# Altium PCB Matrix.PcbDoc (part 1 of 3) (continued)
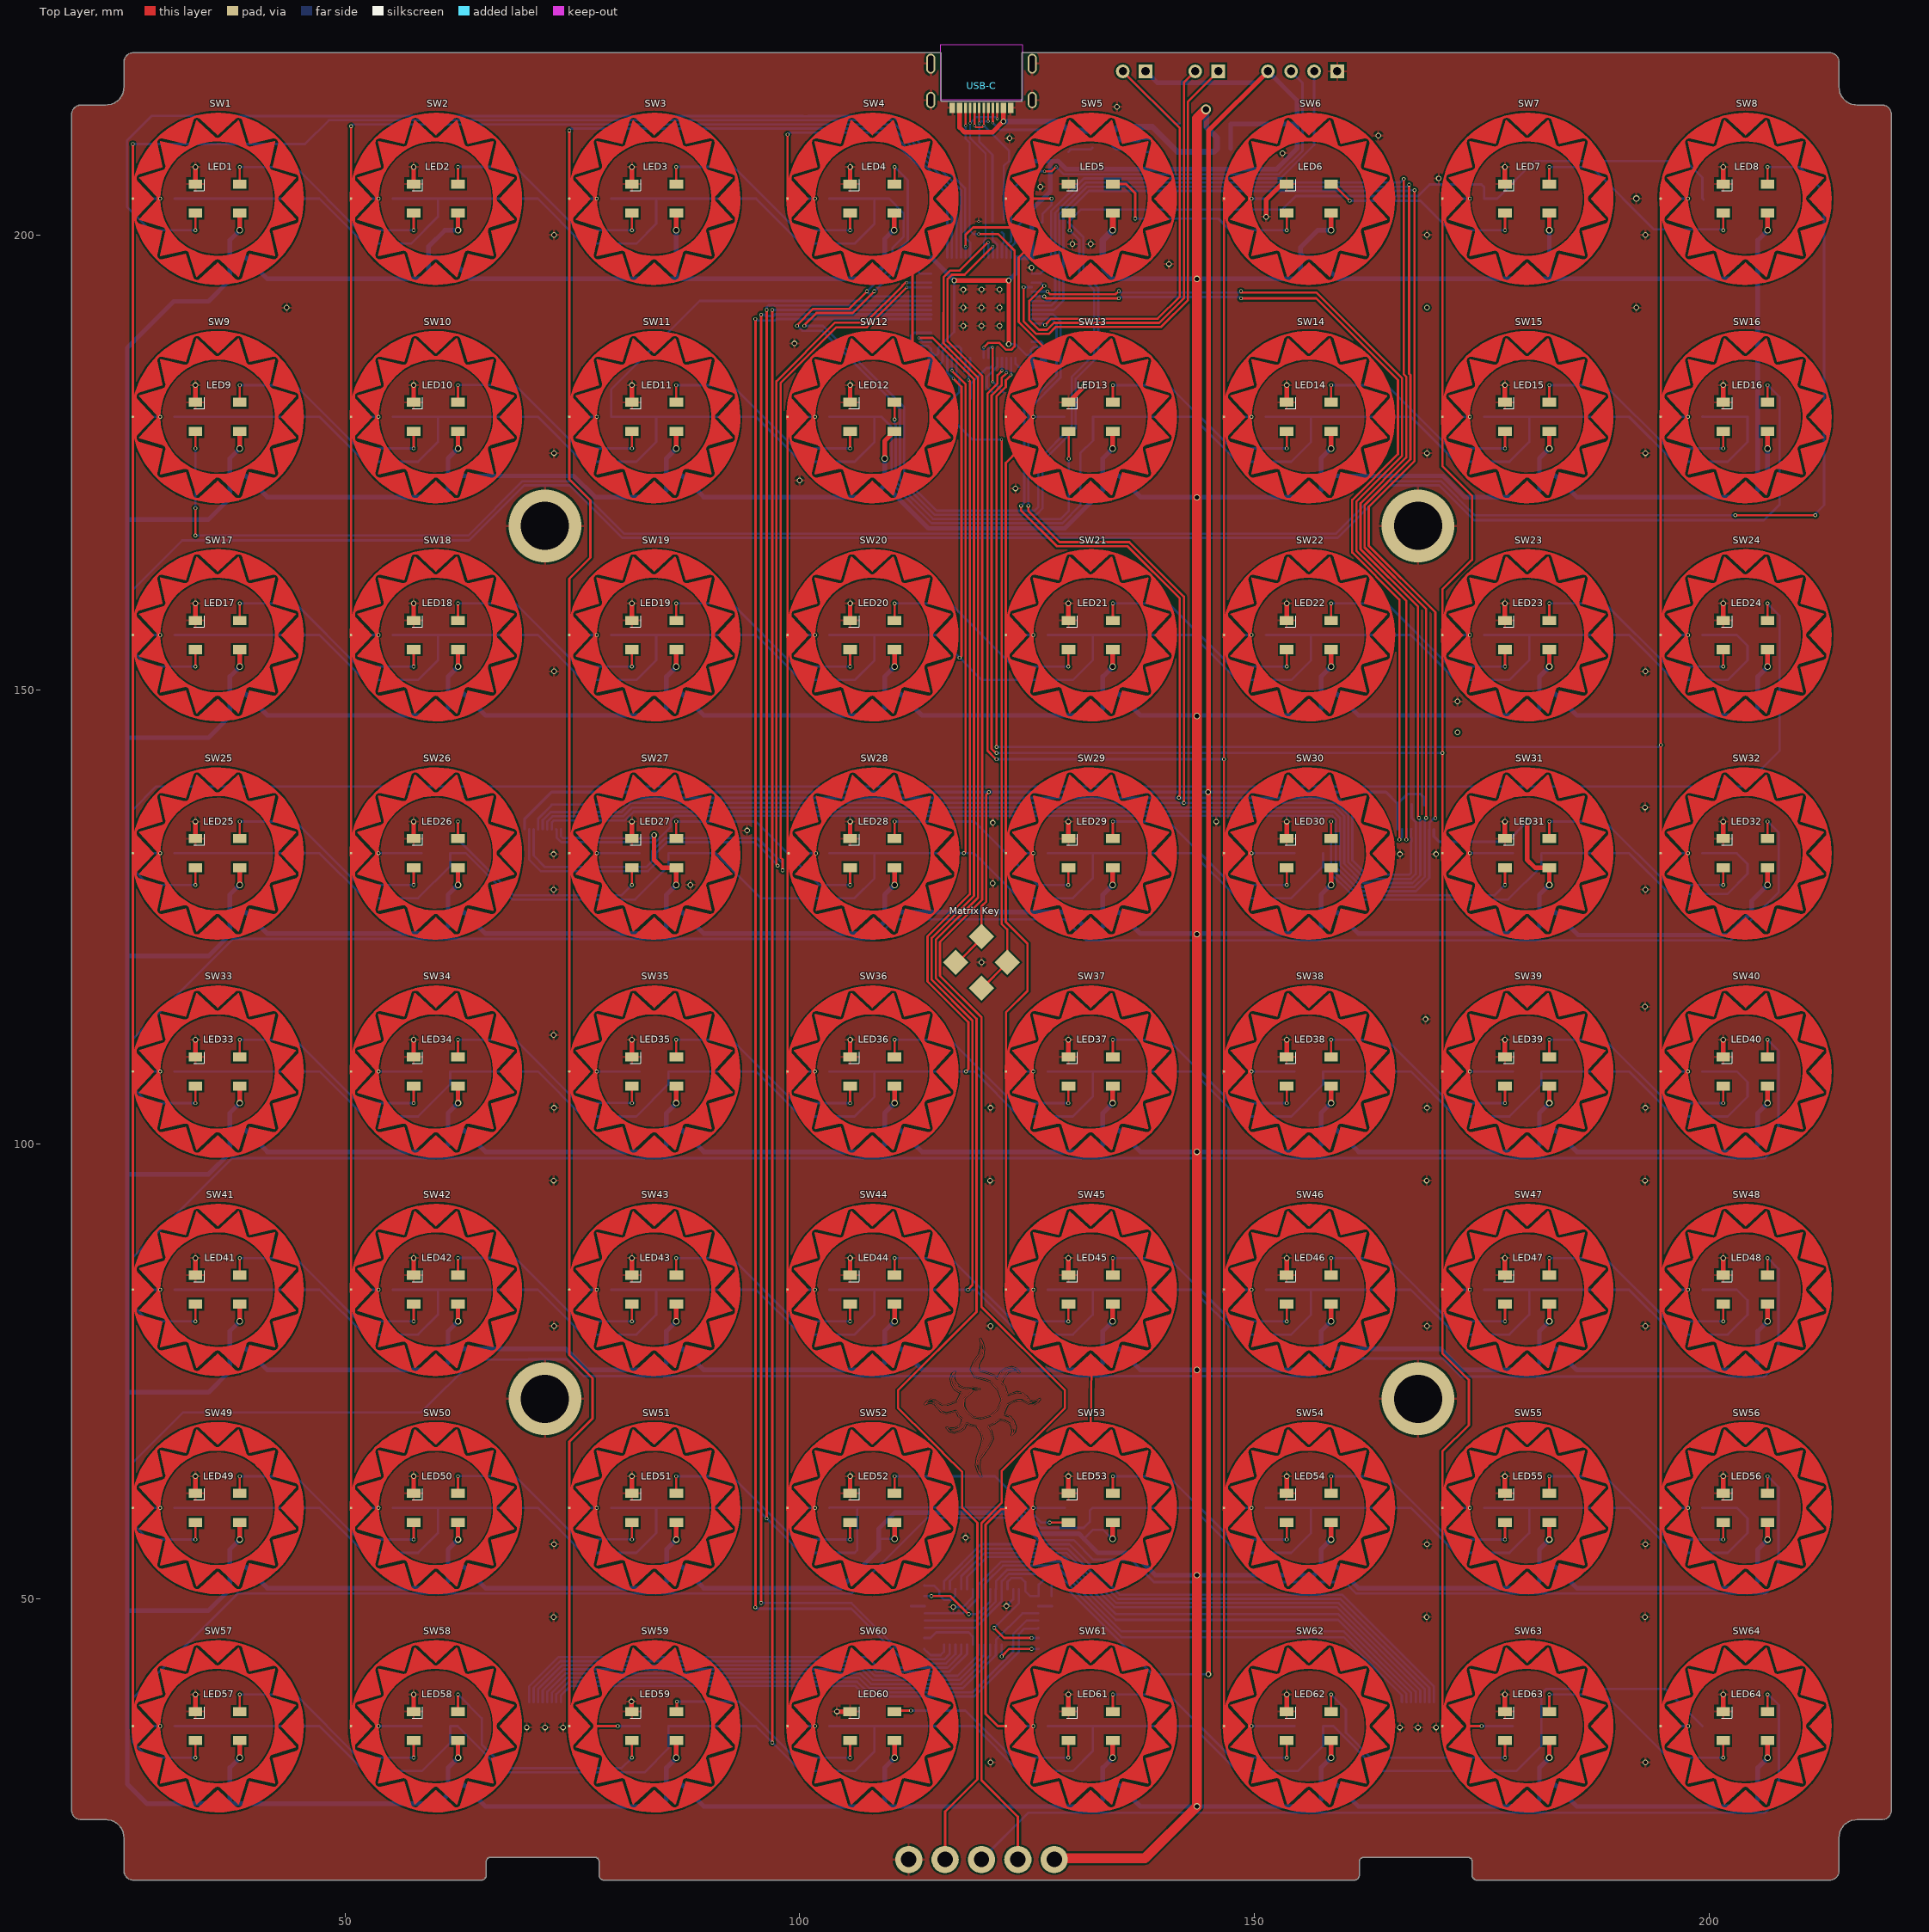
[diagram p0: Top Layer view]
## Components (designator, comment, footprint, x,y, rotation, side; value= is the part's Value field where it differs from the comment)
C1 "LDO" "0603 res" 152.7,211.506 r270 bottom value=10uf
C1 "Touch Bar" "0603 res" 127,51.5 r180 bottom value=10uf
C1 "Cap Semi" "0603 res" 36.7,197.5 r0 bottom value=0.1uf
C2 "LDO" "0603 res" 151,211.506 r270 bottom value=0.1uf
C2 "Touch Bar" "0603 res" 127,50.3 r180 bottom value=0.1uf
C2 "Cap Semi" "0603 res" 58.5,197.5 r0 bottom value=0.1uf
C3 "Touch Bar" "0603 res" 127,45.7 r180 bottom value=10uf
C3 "LDO" "0603 res" 143.7,209.84 r270 bottom value=0.1uf
C3 "Cap Semi" "0603 res" 85.738,197.5 r0 bottom value=0.1uf
C4 "Touch Bar" "0603 res" 127,44.5 r180 bottom value=10uf
C4 "LDO" "0603 res" 142,209.84 r270 bottom value=10uf
C4 "Cap Semi" "0603 res" 108.7,197.5 r0 bottom value=0.1uf
C5 "Touch Bar" "0603 res" 113,51.5 r0 bottom value=10uf
C5 "PDS" "0603 res" 135.92,211.2 r270 bottom value=10uf
C5 "Cap Semi" "0603 res" 132.7,197.5 r0 bottom value=0.1uf
C6 "Touch Bar" "0603 res" 113,50.3 r0 bottom value=10uf
C6 "PDS" "0603 res" 130.86,211.2 r270 bottom value=10uf
C6 "Cap Semi" "0603 res" 154.4,197.5 r0 bottom value=0.1uf
C7 "MCU" "0603 res" 126.225,197.5 r180 bottom value=0.1uf
C7 "Touch Bar" "0603 res" 113,45.7 r0 bottom value=10uf
C7 "Cap Semi" "0603 res" 181.738,197.5 r0 bottom value=0.1uf
C8 "Touch Bar" "0603 res" 113,44.5 r0 bottom value=10uf
C8 "MCU" "0603 res" 126.13,186.8 r180 bottom value=0.1uf
C8 "Cap Semi" "0603 res" 204.7,197.5 r0 bottom value=0.1uf
C9 "MCU" "0603 res" 126.13,185.5 r180 bottom value=0.1uf
C9 "Cap Semi" "0603 res" 36.7,173.5 r0 bottom value=0.1uf
C10 "MCU" "0603 res" 122.45,182 r270 bottom value=0.1uf
C10 "Cap Semi" "0603 res" 60.7,173.5 r0 bottom value=0.1uf
C11 "MCU" "0603 res" 113.775,197.5 r0 bottom value=0.1uf
C11 "Cap Semi" "0603 res" 84.7,173.5 r0 bottom value=0.1uf
C12 "MCU" "0603 res" 113.775,186.8 r0 bottom value=0.1uf
C12 "Cap Semi" "0603 res" 108.7,173.5 r0 bottom value=0.1uf
C13 "MCU" "0603 res" 113.775,185.5 r0 bottom value=0.1uf
C13 "Cap Semi" "0603 res" 132.7,173.5 r0 bottom value=0.1uf
C14 "Cap Semi" "0603 res" 156.7,173.5 r0 bottom value=0.1uf
C15 "Cap Semi" "0603 res" 180.7,173.5 r0 bottom value=0.1uf
C16 "Cap Semi" "0603 res" 204.7,173.5 r0 bottom value=0.1uf
C17 "Cap Semi" "0603 res" 36.7,149.5 r0 bottom value=0.1uf
C18 "Cap Semi" "0603 res" 60.7,149.5 r0 bottom value=0.1uf
C19 "Cap Semi" "0603 res" 84.7,149.5 r0 bottom value=0.1uf
C20 "Cap Semi" "0603 res" 108.7,149.5 r0 bottom value=0.1uf
C21 "Cap Semi" "0603 res" 132.7,149.5 r0 bottom value=0.1uf
C22 "Cap Semi" "0603 res" 156.7,149.5 r0 bottom value=0.1uf
C23 "Cap Semi" "0603 res" 180.7,149.5 r0 bottom value=0.1uf
C24 "Cap Semi" "0603 res" 204.7,149.5 r0 bottom value=0.1uf
C25 "Cap Semi" "0603 res" 36.7,125.5 r0 bottom value=0.1uf
C26 "Cap Semi" "0603 res" 60.7,125.5 r0 bottom value=0.1uf
C27 "Cap Semi" "0603 res" 84.7,125.5 r0 bottom value=0.1uf
C28 "Cap Semi" "0603 res" 108.7,125.5 r0 bottom value=0.1uf
C29 "Cap Semi" "0603 res" 132.7,125.5 r0 bottom value=0.1uf
C30 "Cap Semi" "0603 res" 156.7,125.5 r0 bottom value=0.1uf
C31 "Cap Semi" "0603 res" 180.7,125.5 r0 bottom value=0.1uf
C32 "Cap Semi" "0603 res" 204,126.2 r0 bottom value=0.1uf
C33 "Cap Semi" "0603 res" 36.7,101.5 r0 bottom value=0.1uf
C34 "Cap Semi" "0603 res" 60.7,101.5 r0 bottom value=0.1uf
C35 "Cap Semi" "0603 res" 84.7,101.5 r0 bottom value=0.1uf
C36 "Cap Semi" "0603 res" 108.7,101.5 r0 bottom value=0.1uf
C37 "Cap Semi" "0603 res" 132.7,101.5 r0 bottom value=0.1uf
C38 "Cap Semi" "0603 res" 156.7,101.5 r0 bottom value=0.1uf
C39 "Cap Semi" "0603 res" 180.7,101.5 r0 bottom value=0.1uf
C40 "Cap Semi" "0603 res" 204.7,101.5 r0 bottom value=0.1uf
C41 "Cap Semi" "0603 res" 36.7,77.5 r0 bottom value=0.1uf
C42 "Cap Semi" "0603 res" 60.7,77.5 r0 bottom value=0.1uf
C43 "Cap Semi" "0603 res" 84.7,77.5 r0 bottom value=0.1uf
C44 "Cap Semi" "0603 res" 108.7,77.5 r0 bottom value=0.1uf
C45 "Cap Semi" "0603 res" 132.7,77.5 r0 bottom value=0.1uf
C46 "Cap Semi" "0603 res" 156.7,77.5 r0 bottom value=0.1uf
C47 "Cap Semi" "0603 res" 180.7,77.5 r0 bottom value=0.1uf
C48 "Cap Semi" "0603 res" 204.7,77.5 r0 bottom value=0.1uf
C49 "Cap Semi" "0603 res" 36.7,53.5 r0 bottom value=0.1uf
C50 "Cap Semi" "0603 res" 60.7,53.5 r0 bottom value=0.1uf
C51 "Cap Semi" "0603 res" 84.7,53.5 r0 bottom value=0.1uf
C52 "Cap Semi" "0603 res" 108,56.6 r0 bottom value=0.1uf
C53 "Cap Semi" "0603 res" 132,56.65 r180 bottom value=0.1uf
C54 "Cap Semi" "0603 res" 156.7,53.5 r0 bottom value=0.1uf
C55 "Cap Semi" "0603 res" 180.7,53.5 r0 bottom value=0.1uf
C56 "Cap Semi" "0603 res" 204.7,53.5 r0 bottom value=0.1uf
C57 "Cap Semi" "0603 res" 36.7,29.5 r0 bottom value=0.1uf
C58 "Cap Semi" "0603 res" 60.7,29.5 r0 bottom value=0.1uf
C59 "Cap Semi" "0603 res" 84.7,29.5 r0 bottom value=0.1uf
C60 "Cap Semi" "0603 res" 108.7,29.5 r0 bottom value=0.1uf
C61 "Cap Semi" "0603 res" 132.7,29.5 r0 bottom value=0.1uf
C62 "Cap Semi" "0603 res" 156.7,29.5 r0 bottom value=0.1uf
C63 "Cap Semi" "0603 res" 180.7,29.5 r0 bottom value=0.1uf
C64 "Cap Semi" "0603 res" 204.7,29.5 r0 bottom value=0.1uf
D1 "1N4148" SOD123 29.7,204 r0 bottom
D2 "1N4148" SOD123 53.7,204 r0 bottom
D3 "1N4148" SOD123 77.7,204 r0 bottom
D4 "1N4148" SOD123 101.7,204 r0 bottom
D5 "1N4148" SOD123 128.3,201.4 r0 bottom
D6 "1N4148" SOD123 152.7,204 r0 bottom
D7 "1N4148" SOD123 173.7,204 r0 bottom
D8 "1N4148" SOD123 197.7,204 r0 bottom
D9 "1N4148" SOD123 29.7,180 r0 bottom
D10 "1N4148" SOD123 53.7,180 r0 bottom
D11 "1N4148" SOD123 77.7,180 r0 bottom
D12 "1N4148" SOD123 101.7,180 r0 bottom
D13 "1N4148" SOD123 130.7,180 r0 bottom
D14 "1N4148" SOD123 149.7,180 r0 bottom
D15 "1N4148" SOD123 173.7,180 r0 bottom
D16 "1N4148" SOD123 197.7,180 r0 bottom
D17 "1N4148" SOD123 29.7,156 r0 bottom
D18 "1N4148" SOD123 53.7,156 r0 bottom
D19 "1N4148" SOD123 77.7,156 r0 bottom
D20 "1N4148" SOD123 101.7,156 r0 bottom
D21 "1N4148" SOD123 125.7,156 r0 bottom
D22 "1N4148" SOD123 149.7,156 r0 bottom
D23 "1N4148" SOD123 173.7,156 r0 bottom
D24 "1N4148" SOD123 197.7,156 r0 bottom
D25 "1N4148" SOD123 29.7,132 r0 bottom
D26 "1N4148" SOD123 60,132 r0 bottom
D27 "1N4148" SOD123 84,132 r0 bottom
D28 "1N4148" SOD123 101.7,132 r0 bottom
D29 "1N4148" SOD123 125.7,132 r0 bottom
D30 "1N4148" SOD123 156,132 r0 bottom
D31 "1N4148" SOD123 180,132 r0 bottom
D32 "1N4148" SOD123 197.7,132 r0 bottom
D33 "1N4148" SOD123 29.7,108 r0 bottom
D34 "1N4148" SOD123 60,108 r0 bottom
D35 "1N4148" SOD123 84,108 r0 bottom
D36 "1N4148" SOD123 101.7,108 r0 bottom
D37 "1N4148" SOD123 125.7,108 r0 bottom
D38 "1N4148" SOD123 156,108 r0 bottom
D39 "1N4148" SOD123 180,108 r0 bottom
D40 "1N4148" SOD123 197.7,108 r0 bottom
D41 "1N4148" SOD123 29.7,84 r0 bottom
D42 "1N4148" SOD123 53.7,84 r0 bottom
D43 "1N4148" SOD123 77.7,84 r0 bottom
D44 "1N4148" SOD123 101.7,84 r0 bottom
D45 "1N4148" SOD123 125.7,84 r0 bottom
D46 "1N4148" SOD123 149.7,84 r0 bottom
D47 "1N4148" SOD123 173.7,84 r0 bottom
D48 "1N4148" SOD123 197.7,84 r0 bottom
D49 "1N4148" SOD123 29.7,60 r0 bottom
D50 "1N4148" SOD123 53.7,60 r0 bottom
D51 "1N4148" SOD123 77.7,60 r0 bottom
D52 "1N4148" SOD123 101.7,60 r0 bottom
D53 "1N4148" SOD123 130.657,60 r0 bottom
D54 "1N4148" SOD123 149.7,60 r0 bottom
D55 "1N4148" SOD123 173.7,60 r0 bottom
D56 "1N4148" SOD123 197.7,60 r0 bottom
D57 "1N4148" SOD123 29.7,36 r0 bottom
D58 "1N4148" SOD123 60,36 r0 bottom
D59 "1N4148" SOD123 84,36 r0 bottom
D60 "1N4148" SOD123 101.7,36 r0 bottom
D61 "1N4148" SOD123 125.7,36 r0 bottom
D62 "1N4148" SOD123 156,36 r0 bottom
D63 "1N4148" SOD123 180,36 r0 bottom
D64 "1N4148" SOD123 197.7,36 r0 bottom
LDO "CJA1117" SOT89-3L 147.4,212.05 r180 bottom
LED1 "WS2812B" WS2812B 36,204 r180 top
LED2 "WS2812B" WS2812B 60,204 r180 top
LED3 "WS2812B" WS2812B 84,204 r180 top
LED4 "WS2812B" WS2812B 108,204 r180 top
LED5 "WS2812B" WS2812B 132,204 r180 top
LED6 "WS2812B" WS2812B 156,204 r180 top
LED7 "WS2812B" WS2812B 180,204 r180 top
LED8 "WS2812B" WS2812B 204,204 r180 top
LED9 "WS2812B" WS2812B 36,180 r180 top
LED10 "WS2812B" WS2812B 60,180 r180 top
LED11 "WS2812B" WS2812B 84,180 r180 top
LED12 "WS2812B" WS2812B 108,180 r180 top
LED13 "WS2812B" WS2812B 132,180 r180 top
LED14 "WS2812B" WS2812B 156,180 r180 top
LED15 "WS2812B" WS2812B 180,180 r180 top
LED16 "WS2812B" WS2812B 204,180 r180 top
LED17 "WS2812B" WS2812B 36,156 r180 top
LED18 "WS2812B" WS2812B 60,156 r180 top
LED19 "WS2812B" WS2812B 84,156 r180 top
LED20 "WS2812B" WS2812B 108,156 r180 top
LED21 "WS2812B" WS2812B 132,156 r180 top
LED22 "WS2812B" WS2812B 156,156 r180 top
LED23 "WS2812B" WS2812B 180,156 r180 top
LED24 "WS2812B" WS2812B 204,156 r180 top
LED25 "WS2812B" WS2812B 36,132 r180 top
LED26 "WS2812B" WS2812B 60,132 r180 top
LED27 "WS2812B" WS2812B 84,132 r180 top
LED28 "WS2812B" WS2812B 108,132 r180 top
LED29 "WS2812B" WS2812B 132,132 r180 top
LED30 "WS2812B" WS2812B 156,132 r180 top
LED31 "WS2812B" WS2812B 180,132 r180 top
LED32 "WS2812B" WS2812B 204,132 r180 top
LED33 "WS2812B" WS2812B 36,108 r180 top
LED34 "WS2812B" WS2812B 60,108 r180 top
LED35 "WS2812B" WS2812B 84,108 r180 top
LED36 "WS2812B" WS2812B 108,108 r180 top
LED37 "WS2812B" WS2812B 132,108 r180 top
LED38 "WS2812B" WS2812B 156,108 r180 top
LED39 "WS2812B" WS2812B 180,108 r180 top
LED40 "WS2812B" WS2812B 204,108 r180 top
LED41 "WS2812B" WS2812B 36,84 r180 top
LED42 "WS2812B" WS2812B 60,84 r180 top
LED43 "WS2812B" WS2812B 84,84 r180 top
LED44 "WS2812B" WS2812B 108,84 r180 top
LED45 "WS2812B" WS2812B 132,84 r180 top
LED46 "WS2812B" WS2812B 156,84 r180 top
LED47 "WS2812B" WS2812B 180,84 r180 top
LED48 "WS2812B" WS2812B 204,84 r180 top
LED49 "WS2812B" WS2812B 36,60 r180 top
LED50 "WS2812B" WS2812B 60,60 r180 top
LED51 "WS2812B" WS2812B 84,60 r180 top
LED52 "WS2812B" WS2812B 108,60 r180 top
LED53 "WS2812B" WS2812B 132,60 r180 top
LED54 "WS2812B" WS2812B 156,60 r180 top
LED55 "WS2812B" WS2812B 180,60 r180 top
LED56 "WS2812B" WS2812B 204,60 r180 top
LED57 "WS2812B" WS2812B 36,36 r180 top
LED58 "WS2812B" WS2812B 60,36 r180 top
LED59 "WS2812B" WS2812B 84,36 r180 top
LED60 "WS2812B" WS2812B 108,36 r180 top
LED61 "WS2812B" WS2812B 132,36 r180 top
LED62 "WS2812B" WS2812B 156,36 r180 top
LED63 "WS2812B" WS2812B 180,36 r180 top
LED64 "WS2812B" WS2812B 204,36 r180 top
"Matrix Key" "Comment" sw5x5 120,120 r225 top
MCU "RET6" STM-LQFP64_L 120,192 r90 bottom locked
MPX1 "10p 0.5mm FPC" "10P FPC 0.5mm" 168,131.9 r180 bottom locked
MPX2 "10p 0.5mm FPC" "10P FPC 0.5mm" 72,131.9 r180 bottom
MR1 "System" "0603 res" 168,137.4 r180 bottom value=10k
MR2 "System" "0603 res" 72.01,137.3 r0 bottom value=10k
PDS "PL2700" SOT23-5 133.39,210.52 r180 bottom
R1 "MCU" "0603 res" 142.85,212.25 r0 bottom value=10K
R2 "PDS" "0603 res" 137.22,209.84 r270 bottom value=3.4K
R3 "PDS" "0603 res" 129.56,209.84 r270 bottom value=10K
R4 "MCU" "0603 res" 128.26,209.84 r270 bottom value=5.1k
R5 "MCU" "0603 res" 123.8,208.107 r0 bottom value=1.5K
R6 "MCU" "0603 res" 122.45,200.8 r270 bottom value=22
R7 "MCU" "0603 res" 121.2,200.8 r270 bottom value=22
R8 "MCU" "0603 res" 119.696,200.8 r270 bottom value=5.1k
R9 "LED" 1206 36.08,213.1 r0 bottom value=470
R10 "Matrix Key" "0603 res" 117.56,182 r270 bottom value=10K
RA1 "Touch Bar" 8P4R 127,48 r270 bottom value=820K
RA2 "Touch Bar" 8P4R 113,48 r90 bottom value=820K
SW1 "" PAD#1 36,204 r0 top
SW2 "" PAD#1 60,204 r0 top
SW3 "" PAD#1 84,204 r0 top
SW4 "" PAD#1 108,204 r0 top
SW5 "" PAD#2 132,204 r0 top
SW6 "" PAD#1 156,204 r0 top
SW7 "" PAD#1 180,204 r0 top
SW8 "" PAD#1 204,204 r0 top
SW9 "" PAD#1 36,180 r0 top
SW10 "" PAD#1 60,180 r0 top
SW11 "" PAD#1 84,180 r0 top
SW12 "" PAD#1 108,180 r0 top
SW13 "" PAD#1 132,180 r0 top
SW14 "" PAD#1 156,180 r0 top
SW15 "" PAD#1 180,180 r0 top
SW16 "" PAD#1 204,180 r0 top
SW17 "" PAD#1 36,156 r0 top
SW18 "" PAD#1 60,156 r0 top
SW19 "" PAD#1 84,156 r0 top
SW20 "" PAD#1 108,156 r0 top
SW21 "" PAD#1 132,156 r0 top
SW22 "" PAD#1 156,156 r0 top
SW23 "" PAD#1 180,156 r0 top
SW24 "" PAD#1 204,156 r0 top
SW25 "" PAD#1 36,132 r0 top
SW26 "" PAD#1 60,132 r0 top
SW27 "" PAD#1 84,132 r0 top
SW28 "" PAD#1 108.11,131.987 r0 top
SW29 "" PAD#1 132,132 r0 top
SW30 "" PAD#1 156,132 r0 top
SW31 "" PAD#1 180,132 r0 top
SW32 "" PAD#1 204,132 r0 top
SW33 "" PAD#1 36,108 r0 top
SW34 "" PAD#1 60,108 r0 top
SW35 "" PAD#1 84,108 r0 top
SW36 "" PAD#1 108,108 r0 top
SW37 "" PAD#1 132,108 r0 top
SW38 "" PAD#1 156,108 r0 top
SW39 "" PAD#1 180,108 r0 top
SW40 "" PAD#1 204,108 r0 top
SW41 "" PAD#1 36,84 r0 top
SW42 "" PAD#1 60,84 r0 top
SW43 "" PAD#1 84,84 r0 top
SW44 "" PAD#1 108,84 r0 top
SW45 "" PAD#1 132,84 r0 top
SW46 "" PAD#1 156,84 r0 top
SW47 "" PAD#1 180,84 r0 top
SW48 "" PAD#1 204,84 r0 top
SW49 "" PAD#1 36,60 r0 top
SW50 "" PAD#1 60,60 r0 top
SW51 "" PAD#1 84,60 r0 top
SW52 "" PAD#1 108,60 r0 top
SW53 "" PAD#1 132,60 r0 top
SW54 "" PAD#1 156,60 r0 top
SW55 "" PAD#1 180,60 r0 top
SW56 "" PAD#1 204,60 r0 top
SW57 "" PAD#1 36,36 r0 top
SW58 "" PAD#1 60,36 r0 top
SW59 "" PAD#3 84,36 r0 top
SW60 "" PAD#1 108,36 r0 top
SW61 "" PAD#1 132,36 r0 top
SW62 "" PAD#1 156,36 r0 top
SW63 "" PAD#4 180,36 r0 top
SW64 "" PAD#1 204,36 r0 top
SWD "SWD" HDR1X4 151.5,218 r0 bottom
"Touch IC" "TTP229-BSF" SSOP-28 120,48 r90 bottom (schematic designator "TOUCH IC")
"Touchbar L" "10p 0.5mm FPC" "10P FPC 0.5mm" 72,35.9 r180 bottom locked
"Touchbar R" "10p 0.5mm FPC" "10P FPC 0.5mm" 168,35.9 r180 bottom locked
UART "Comment" HDR1X2 146.04,218 r180 bottom
USB-C "USBC 16PIN" "USBC 16PIN -1.6" 120,213.4 r0 top
Y1 "CSCTE 8M" CSTCE 120,182 r180 bottom value=8Mhz

## Footprints (in the part's own frame and the unit in brackets; to place one, negate y for a bottom-side part, rotate by r counter-clockwise, add the part's x,y. Pads: shape width x height; smd on the part's side, far side on the other; paste and mask are expansions set on the pad)
8P4R [mm]
  rect 0.45x0.9 smd: 1(-1.2,0.75) 2(-0.4,0.75) 3(0.4,0.75) 4(1.2,0.75) 5(-1.2,-0.75) 6(-0.4,-0.75) 7(0.4,-0.75) 8(1.2,-0.75)
  body extent -1.6,-0.8 1.6,0.8, height 0.61
"10P FPC 0.5mm" [mm]
  rect 1.8x2 smd: 0(-4.15,0) 0(4.15,0)
  rect 0.3x1.25 smd: 1(-2.25,2.725) 2(-1.75,2.725) 3(-1.25,2.725) 4(-0.75,2.725) 5(-0.25,2.725) 6(0.25,2.725) 7(0.75,2.725) 8(1.25,2.725) 9(1.75,2.725) 10(2.25,2.725)
  body extent -4.7,-2.47 4.7,3.32, height 2.13
"0603 res" [mm] "with 0805 model"
  rect 0.8x0.9 smd: 1(-0.7,0) 2(0.7,0)
  body extent -0.8,-0.42 0.8,0.43, height 0.6
1206 [mm]
  rect 1.1x1.7 smd: 1(-1.35,0) 2(1.35,0)
  silkscreen extent -0.4,-0.75 0.4,0.75, body extent -1.6,-0.8 1.6,0.8, height 0.7
CSTCE [mm]
  rect 0.6x1.6 smd: 1(-1.2,0) 2(0,0) 3(1.2,0)
  body extent -1.6,-0.65 1.6,0.65, height 0.9
HDR1X2 [mm] "Connector; Header; 2 Position"
  rect 1.5x1.5 hole 0.9: 1(0,0)
  round 1.5 hole 0.9: 2(2.54,0)
  silkscreen extent -1.27,-1.27 3.81,1.27
HDR1X4 [mm] "Connector; Header; 4 Position"
  rect 1.5x1.5 hole 0.9: 1(7.62,0)
  round 1.5 hole 0.9: 2(5.08,0) 3(2.54,0) 4(0,0)
  silkscreen extent -1.27,-1.27 8.89,1.27
PAD#1 [mil]
  rrect50% 10x10 smd paste+0 mask+0: 1(-366.86,0.1)
  round 16 hole 10 paste+0 mask+0: 2(-248.03,0)
  Top Layer region: 11.52,-267 88.04,-338.41 89.8,-338.92 91.58,-338.49 92.9,-337.22 92.9,-337.22 123.53,-236.97 126.34,-231.27 131.12,-227.08 137.14,-225.05 143.48,-225.47 143.48,-225.47 245.46,-249.04 246.83,-248.77 247.99,-247.99 248.77,-246.83 249.04,-245.46 249.04,-245.46 225.47,-143.46 225.47,-135.03 229.68,-127.74 236.98,-123.52 236.98,-123.52 337.08,-92.94 338.13,-92.02 338.75,-90.76 338.84,-89.37 338.4,-88.04 338.4,-88.04 267,-11.52 262.78,-4.21 262.78,4.22 267,11.52 267,11.52 338.41,88.06 338.86,89.38 338.76,90.78 338.15,92.03 337.09,92.95 337.09,92.95 236.97,123.53 229.67,127.74 225.46,135.04 225.47,143.47 225.47,143.47 249.04,245.46 248.77,246.83 247.99,247.99 246.83,248.77 245.46,249.04 245.46,249.04 143.46,225.46 137.12,225.05 131.11,227.09 126.33,231.28 123.53,236.98 123.53,236.98 92.94,337.1 92.02,338.15 90.76,338.76 89.37,338.85 88.04,338.4 88.04,338.4 0,256.24 0,248.01 109.09,222.73 195.93,152.04 242.84,50.36 240.24,-61.58 188.66,-160.98 98.62,-227.55 -11.52,-247.74 -11.52,-247.74 -11.52,-267 -6.23,-263.47 0,-262.23 6.23,-263.47 11.52,-267
  Top Layer region: 78.86,-365.11 78.86,-349.67 88.99,-352.38 99.11,-349.67 106.52,-342.25 106.52,-342.25 137.1,-242.13 137.6,-241.12 138.45,-240.39 139.51,-240.03 140.63,-240.11 140.63,-240.11 242.63,-263.68 250.37,-262.14 256.94,-257.75 261.32,-251.19 262.86,-243.44 262.86,-243.44 239.29,-141.43 239.22,-140.32 239.58,-139.26 240.32,-138.41 241.32,-137.92 241.32,-137.92 341.42,-107.34 348.83,-99.93 351.55,-89.8 348.84,-79.68 348.84,-79.68 277.43,-3.14 276.68,-1.85 276.68,-0.36 277.43,0.93 277.43,0.93 348.84,77.47 351.38,84.95 350.86,92.83 347.37,99.91 341.43,105.12 341.44,105.12 241.32,135.7 240.32,136.2 239.57,137.05 239.21,138.11 239.29,139.23 239.29,139.23 262.86,241.22 261.32,248.97 256.94,255.54 250.37,259.93 242.63,261.47 242.63,261.47 140.63,237.89 139.51,237.82 138.44,238.18 137.6,238.92 137.1,239.93 137.1,239.93 106.52,340.05 101.31,345.99 94.22,349.48 86.34,350 78.86,347.46 78.86,347.46 2.33,276.05 1.39,275.42 0.29,275.2 -0.82,275.42 -1.75,276.05 -1.75,276.05 -91.52,359.8 76.07,363.5 228.29,293.33 334.32,163.5 372.68,0.33 335.58,-163.14 230.55,-293.78 78.86,-365.11
  Top Layer region: -78.29,362.9 -78.29,347.46 -85.77,350 -93.65,349.48 -100.74,345.99 -105.95,340.04 -105.95,340.05 -136.53,239.92 -137.03,238.92 -137.88,238.18 -138.94,237.82 -140.06,237.9 -140.06,237.9 -242.05,261.47 -249.8,259.93 -256.36,255.55 -260.75,248.98 -262.29,241.24 -262.29,241.24 -238.72,139.23 -238.65,138.11 -239.01,137.05 -239.75,136.21 -240.75,135.71 -240.75,135.71 -340.85,105.13 -346.79,99.92 -350.29,92.84 -350.81,84.95 -348.27,77.47 -348.27,77.47 -276.86,0.93 -276.23,0 -276.01,-1.1 -276.23,-2.21 -276.86,-3.14 -276.86,-3.14 -348.27,-79.68 -350.81,-87.16 -350.29,-95.04 -346.8,-102.12 -340.86,-107.33 -340.86,-107.33 -240.75,-137.91 -239.74,-138.41 -239,-139.25 -238.64,-140.32 -238.72,-141.44 -238.72,-141.44 -262.29,-243.43 -260.75,-251.18 -256.37,-257.75 -249.8,-262.14 -242.05,-263.68 -242.05,-263.68 -140.06,-240.1 -138.94,-240.03 -137.87,-240.39 -137.03,-241.13 -136.53,-242.14 -136.53,-242.14 -105.95,-342.25 -100.74,-348.19 -93.65,-351.69 -85.77,-352.2 -78.29,-349.67 -78.29,-349.67 -1.76,-278.25 -0.82,-277.63 0.28,-277.41 1.39,-277.63 2.32,-278.25 2.32,-278.25 92.09,-362 -75.49,-365.71 -227.72,-295.53 -333.75,-165.71 -372.11,-2.53 -335.01,160.93 -229.98,291.57 -78.29,362.9
  Top Layer region: -249.04,-245.46 -248.77,-246.83 -247.99,-247.99 -246.83,-248.77 -245.46,-249.04 -245.46,-249.04 -143.47,-225.47 -135.04,-225.46 -127.74,-229.67 -123.53,-236.97 -123.53,-236.97 -92.95,-337.08 -92.03,-338.13 -90.78,-338.76 -89.38,-338.85 -88.06,-338.41 -88.06,-338.41 0,-256.25 0,-248.01 -109.09,-222.73 -195.94,-152.04 -242.84,-50.36 -240.24,61.58 -188.66,160.98 -98.63,227.55 11.52,247.74 11.52,247.74 11.52,266.99 6.23,263.46 0,262.22 -6.23,263.46 -11.51,266.99 -11.51,266.99 -88.06,338.4 -89.38,338.85 -90.77,338.76 -92.03,338.14 -92.95,337.09 -92.95,337.09 -123.53,236.98 -126.33,231.28 -131.11,227.09 -137.13,225.05 -143.46,225.46 -143.46,225.46 -245.46,249.04 -246.83,248.77 -247.99,247.99 -248.77,246.82 -249.04,245.45 -249.04,245.45 -225.46,143.47 -225.04,137.13 -227.08,131.11 -231.27,126.34 -236.97,123.52 -236.97,123.52 -337.09,92.95 -338.14,92.03 -338.76,90.77 -338.85,89.38 -338.4,88.06 -338.4,88.06 -266.99,11.52 -263.46,6.23 -262.22,0 -263.46,-6.23 -266.99,-11.52 -266.99,-11.52 -338.4,-88.04 -338.85,-89.37 -338.76,-90.76 -338.15,-92.02 -337.09,-92.94 -337.09,-92.94 -236.98,-123.53 -231.28,-126.33 -227.09,-131.11 -225.05,-137.12 -225.46,-143.46 -225.46,-143.46
PAD#2 [mil]
  rrect50% 10x10 smd paste+0 mask+0: 1(-366.86,0.1)
  round 16 hole 10 paste+0 mask+0: 2(-169.29,0)
  Top Layer region: -249.04,-245.46 -248.77,-246.83 -247.99,-247.99 -246.83,-248.77 -245.46,-249.04 -245.46,-249.04 -143.47,-225.47 -135.04,-225.46 -127.74,-229.67 -123.53,-236.97 -123.53,-236.97 -92.95,-337.08 -92.03,-338.13 -90.78,-338.76 -89.38,-338.85 -88.06,-338.41 -88.06,-338.41 0,-256.25 0,-248.01 -109.09,-222.73 -195.94,-152.04 -242.84,-50.36 -240.24,61.58 -188.66,160.98 -98.63,227.55 11.52,247.74 11.52,247.74 11.52,266.99 6.23,263.46 0,262.22 -6.23,263.46 -11.51,266.99 -11.51,266.99 -88.06,338.4 -89.38,338.85 -90.77,338.76 -92.03,338.14 -92.95,337.09 -92.95,337.09 -123.53,236.98 -126.33,231.28 -131.11,227.09 -137.13,225.05 -143.46,225.46 -143.46,225.46 -245.46,249.04 -246.83,248.77 -247.99,247.99 -248.77,246.82 -249.04,245.45 -249.04,245.45 -225.46,143.47 -225.04,137.13 -227.08,131.11 -231.27,126.34 -236.97,123.52 -236.97,123.52 -337.09,92.95 -338.14,92.03 -338.76,90.77 -338.85,89.38 -338.4,88.06 -338.4,88.06 -266.99,11.52 -263.46,6.23 -262.22,0 -263.46,-6.23 -266.99,-11.52 -266.99,-11.52 -338.4,-88.04 -338.85,-89.37 -338.76,-90.76 -338.15,-92.02 -337.09,-92.94 -337.09,-92.94 -236.98,-123.53 -231.28,-126.33 -227.09,-131.11 -225.05,-137.12 -225.46,-143.46 -225.46,-143.46
  Top Layer region: -78.29,362.9 -78.29,347.46 -85.77,350 -93.65,349.48 -100.74,345.99 -105.95,340.04 -105.95,340.05 -136.53,239.92 -137.03,238.92 -137.88,238.18 -138.94,237.82 -140.06,237.9 -140.06,237.9 -242.05,261.47 -249.8,259.93 -256.36,255.55 -260.75,248.98 -262.29,241.24 -262.29,241.24 -238.72,139.23 -238.65,138.11 -239.01,137.05 -239.75,136.21 -240.75,135.71 -240.75,135.71 -340.85,105.13 -346.79,99.92 -350.29,92.84 -350.81,84.95 -348.27,77.47 -348.27,77.47 -276.86,0.93 -276.23,0 -276.01,-1.1 -276.23,-2.21 -276.86,-3.14 -276.86,-3.14 -348.27,-79.68 -350.81,-87.16 -350.29,-95.04 -346.8,-102.12 -340.86,-107.33 -340.86,-107.33 -240.75,-137.91 -239.74,-138.41 -239,-139.25 -238.64,-140.32 -238.72,-141.44 -238.72,-141.44 -262.29,-243.43 -260.75,-251.18 -256.37,-257.75 -249.8,-262.14 -242.05,-263.68 -242.05,-263.68 -140.06,-240.1 -138.94,-240.03 -137.87,-240.39 -137.03,-241.13 -136.53,-242.14 -136.53,-242.14 -105.95,-342.25 -100.74,-348.19 -93.65,-351.69 -85.77,-352.2 -78.29,-349.67 -78.29,-349.67 -1.76,-278.25 -0.82,-277.63 0.28,-277.41 1.39,-277.63 2.32,-278.25 2.32,-278.25 92.09,-362 -75.49,-365.71 -227.72,-295.53 -333.75,-165.71 -372.11,-2.53 -335.01,160.93 -229.98,291.57 -78.29,362.9
  Top Layer region: 78.86,-365.11 78.86,-349.67 88.99,-352.38 99.11,-349.67 106.52,-342.25 106.52,-342.25 137.1,-242.13 137.6,-241.12 138.45,-240.39 139.51,-240.03 140.63,-240.11 140.63,-240.11 242.63,-263.68 250.37,-262.14 256.94,-257.75 261.32,-251.19 262.86,-243.44 262.86,-243.44 239.29,-141.43 239.22,-140.32 239.58,-139.26 240.32,-138.41 241.32,-137.92 241.32,-137.92 341.42,-107.34 348.83,-99.93 351.55,-89.8 348.84,-79.68 348.84,-79.68 277.43,-3.14 276.68,-1.85 276.68,-0.36 277.43,0.93 277.43,0.93 348.84,77.47 351.38,84.95 350.86,92.83 347.37,99.91 341.43,105.12 341.43,105.12 241.32,135.7 240.32,136.2 239.57,137.05 239.21,138.11 239.29,139.23 239.29,139.23 262.86,241.22 261.32,248.97 256.94,255.54 250.37,259.93 242.63,261.47 242.63,261.47 140.63,237.89 139.51,237.82 138.44,238.18 137.6,238.92 137.1,239.93 137.1,239.93 106.52,340.05 101.31,345.99 94.22,349.48 86.34,350 78.86,347.46 78.86,347.46 2.33,276.05 1.39,275.42 0.29,275.2 -0.82,275.42 -1.75,276.05 -1.75,276.05 -91.52,359.8 76.07,363.5 228.29,293.33 334.32,163.5 372.68,0.33 335.58,-163.14 230.55,-293.78 78.86,-365.11
  Top Layer region: 11.52,-267 88.04,-338.41 89.8,-338.92 91.58,-338.49 92.9,-337.22 92.9,-337.22 123.53,-236.97 126.34,-231.27 131.12,-227.08 137.14,-225.05 143.48,-225.47 143.48,-225.47 245.46,-249.04 246.83,-248.77 247.99,-247.99 248.77,-246.83 249.04,-245.46 249.04,-245.46 225.47,-143.46 225.47,-135.03 229.68,-127.74 236.98,-123.52 236.98,-123.52 337.08,-92.94 338.13,-92.02 338.75,-90.76 338.84,-89.37 338.4,-88.04 338.4,-88.04 267,-11.52 262.78,-4.21 262.78,4.22 267,11.52 267,11.52 338.41,88.06 338.86,89.38 338.76,90.78 338.15,92.03 337.09,92.95 337.09,92.95 236.97,123.53 229.67,127.74 225.46,135.04 225.47,143.47 225.47,143.47 249.04,245.46 248.77,246.83 247.99,247.99 246.83,248.77 245.46,249.04 245.46,249.04 143.46,225.46 137.12,225.05 131.11,227.09 126.33,231.28 123.53,236.98 123.53,236.98 92.94,337.1 92.02,338.15 90.76,338.76 89.37,338.85 88.04,338.4 88.04,338.4 0,256.24 0,248.01 109.09,222.73 195.93,152.04 242.84,50.36 240.24,-61.58 188.66,-160.98 98.62,-227.55 -11.52,-247.74 -11.52,-247.74 -11.52,-267 -6.23,-263.47 0,-262.23 6.23,-263.47 11.52,-267
PAD#3 [mil]
  rrect50% 10x10 smd paste+0 mask+0: 1(-366.86,0.1)
  round 16 hole 10 paste+0 mask+0: 2(-157.48,0)
  Top Layer region: 11.52,-267 88.04,-338.41 89.8,-338.92 91.58,-338.49 92.9,-337.22 92.9,-337.22 123.53,-236.97 126.34,-231.27 131.12,-227.08 137.14,-225.05 143.48,-225.47 143.48,-225.47 245.46,-249.04 246.83,-248.77 247.99,-247.99 248.77,-246.83 249.04,-245.46 249.04,-245.46 225.47,-143.46 225.47,-135.03 229.68,-127.74 236.98,-123.52 236.98,-123.52 337.08,-92.94 338.13,-92.02 338.75,-90.76 338.84,-89.37 338.4,-88.04 338.4,-88.04 267,-11.52 262.78,-4.21 262.78,4.22 267,11.52 267,11.52 338.41,88.06 338.86,89.38 338.76,90.78 338.15,92.03 337.09,92.95 337.09,92.95 236.97,123.53 229.67,127.74 225.46,135.04 225.47,143.47 225.47,143.47 249.04,245.46 248.77,246.83 247.99,247.99 246.83,248.77 245.46,249.04 245.46,249.04 143.46,225.46 137.12,225.05 131.11,227.09 126.33,231.28 123.53,236.98 123.53,236.98 92.94,337.1 92.02,338.15 90.76,338.76 89.37,338.85 88.04,338.4 88.04,338.4 0,256.24 0,248.01 109.09,222.73 195.93,152.04 242.84,50.36 240.24,-61.58 188.66,-160.98 98.62,-227.55 -11.52,-247.74 -11.52,-247.74 -11.52,-267 -6.23,-263.47 0,-262.23 6.23,-263.47 11.52,-267
  Top Layer region: 78.86,-365.11 78.86,-349.67 88.99,-352.38 99.11,-349.67 106.52,-342.25 106.52,-342.25 137.1,-242.13 137.6,-241.12 138.45,-240.39 139.51,-240.03 140.63,-240.11 140.63,-240.11 242.63,-263.68 250.37,-262.14 256.94,-257.75 261.32,-251.19 262.86,-243.44 262.86,-243.44 239.29,-141.43 239.22,-140.32 239.58,-139.26 240.32,-138.41 241.32,-137.92 241.32,-137.92 341.42,-107.34 348.83,-99.93 351.55,-89.8 348.84,-79.68 348.84,-79.68 277.43,-3.14 276.68,-1.85 276.68,-0.36 277.43,0.93 277.43,0.93 348.84,77.47 351.38,84.95 350.86,92.83 347.37,99.91 341.43,105.12 341.43,105.12 241.32,135.7 240.32,136.2 239.57,137.05 239.21,138.11 239.29,139.23 239.29,139.23 262.86,241.22 261.32,248.97 256.94,255.54 250.37,259.93 242.63,261.47 242.63,261.47 140.63,237.89 139.51,237.82 138.44,238.18 137.6,238.92 137.1,239.93 137.1,239.93 106.52,340.05 101.31,345.99 94.22,349.48 86.34,350 78.86,347.46 78.86,347.46 2.33,276.05 1.39,275.42 0.29,275.2 -0.82,275.42 -1.75,276.05 -1.75,276.05 -91.52,359.8 76.07,363.5 228.29,293.33 334.32,163.5 372.68,0.33 335.58,-163.14 230.55,-293.78 78.86,-365.11
  Top Layer region: -78.29,362.9 -78.29,347.46 -85.77,350 -93.65,349.48 -100.74,345.99 -105.95,340.04 -105.95,340.05 -136.53,239.92 -137.03,238.92 -137.88,238.18 -138.94,237.82 -140.06,237.9 -140.06,237.9 -242.05,261.47 -249.8,259.93 -256.36,255.55 -260.75,248.98 -262.29,241.24 -262.29,241.24 -238.72,139.23 -238.65,138.11 -239.01,137.05 -239.75,136.21 -240.75,135.71 -240.75,135.71 -340.85,105.13 -346.79,99.92 -350.29,92.84 -350.81,84.95 -348.27,77.47 -348.27,77.47 -276.86,0.93 -276.23,0 -276.01,-1.1 -276.23,-2.21 -276.86,-3.14 -276.86,-3.14 -348.27,-79.68 -350.81,-87.16 -350.29,-95.04 -346.8,-102.12 -340.86,-107.33 -340.86,-107.33 -240.75,-137.91 -239.74,-138.41 -239,-139.25 -238.64,-140.32 -238.72,-141.44 -238.72,-141.44 -262.29,-243.43 -260.75,-251.18 -256.37,-257.75 -249.8,-262.14 -242.05,-263.68 -242.05,-263.68 -140.06,-240.1 -138.94,-240.03 -137.87,-240.39 -137.03,-241.13 -136.53,-242.14 -136.53,-242.14 -105.95,-342.25 -100.74,-348.19 -93.65,-351.69 -85.77,-352.2 -78.29,-349.67 -78.29,-349.67 -1.76,-278.25 -0.82,-277.63 0.28,-277.41 1.39,-277.63 2.32,-278.25 2.32,-278.25 92.09,-362 -75.49,-365.71 -227.72,-295.53 -333.75,-165.71 -372.11,-2.53 -335.01,160.93 -229.98,291.57 -78.29,362.9
  Top Layer region: -249.04,-245.46 -248.77,-246.83 -247.99,-247.99 -246.83,-248.77 -245.46,-249.04 -245.46,-249.04 -143.47,-225.47 -135.04,-225.46 -127.74,-229.67 -123.53,-236.97 -123.53,-236.97 -92.95,-337.08 -92.03,-338.13 -90.78,-338.76 -89.38,-338.85 -88.06,-338.41 -88.06,-338.41 0,-256.25 0,-248.01 -109.09,-222.73 -195.94,-152.04 -242.84,-50.36 -240.24,61.58 -188.66,160.98 -98.63,227.55 11.52,247.74 11.52,247.74 11.52,266.99 6.23,263.46 0,262.22 -6.23,263.46 -11.51,266.99 -11.51,266.99 -88.06,338.4 -89.38,338.85 -90.77,338.76 -92.03,338.14 -92.95,337.09 -92.95,337.09 -123.53,236.98 -126.33,231.28 -131.11,227.09 -137.13,225.05 -143.46,225.46 -143.46,225.46 -245.46,249.04 -246.83,248.77 -247.99,247.99 -248.77,246.82 -249.04,245.45 -249.04,245.45 -225.46,143.47 -225.04,137.13 -227.08,131.11 -231.27,126.34 -236.97,123.52 -236.97,123.52 -337.09,92.95 -338.14,92.03 -338.76,90.77 -338.85,89.38 -338.4,88.06 -338.4,88.06 -266.99,11.52 -263.46,6.23 -262.22,0 -263.46,-6.23 -266.99,-11.52 -266.99,-11.52 -338.4,-88.04 -338.85,-89.37 -338.76,-90.76 -338.15,-92.02 -337.09,-92.94 -337.09,-92.94 -236.98,-123.53 -231.28,-126.33 -227.09,-131.11 -225.05,-137.12 -225.46,-143.46 -225.46,-143.46
PAD#4 [mil]
  rrect50% 10x10 smd paste+0 mask+0: 1(-366.86,0.1)
  round 16 hole 10 paste+0 mask+0: 2(-196.85,0)
  Top Layer region: 11.52,-267 88.04,-338.41 89.8,-338.92 91.58,-338.49 92.9,-337.22 92.9,-337.22 123.53,-236.97 126.34,-231.27 131.12,-227.08 137.14,-225.05 143.48,-225.47 143.48,-225.47 245.46,-249.04 246.83,-248.77 247.99,-247.99 248.77,-246.83 249.04,-245.46 249.04,-245.46 225.47,-143.46 225.47,-135.03 229.68,-127.74 236.98,-123.52 236.98,-123.52 337.08,-92.94 338.13,-92.02 338.75,-90.76 338.84,-89.37 338.4,-88.04 338.4,-88.04 267,-11.52 262.78,-4.21 262.78,4.22 267,11.52 267,11.52 338.41,88.06 338.86,89.38 338.76,90.78 338.15,92.03 337.09,92.95 337.09,92.95 236.97,123.53 229.67,127.74 225.46,135.04 225.47,143.47 225.47,143.47 249.04,245.46 248.77,246.83 247.99,247.99 246.83,248.77 245.46,249.04 245.46,249.04 143.46,225.46 137.12,225.05 131.11,227.09 126.33,231.28 123.53,236.98 123.53,236.98 92.94,337.1 92.02,338.15 90.76,338.76 89.37,338.85 88.04,338.4 88.04,338.4 0,256.24 0,248.01 109.09,222.73 195.93,152.04 242.84,50.36 240.24,-61.58 188.66,-160.98 98.62,-227.55 -11.52,-247.74 -11.52,-247.74 -11.52,-267 -6.23,-263.47 0,-262.23 6.23,-263.47 11.52,-267
  Top Layer region: 78.86,-365.11 78.86,-349.67 88.99,-352.38 99.11,-349.67 106.52,-342.25 106.52,-342.25 137.1,-242.13 137.6,-241.12 138.45,-240.39 139.51,-240.03 140.63,-240.11 140.63,-240.11 242.63,-263.68 250.37,-262.14 256.94,-257.75 261.32,-251.19 262.86,-243.44 262.86,-243.44 239.29,-141.43 239.22,-140.32 239.58,-139.26 240.32,-138.41 241.32,-137.92 241.32,-137.92 341.42,-107.34 348.83,-99.93 351.55,-89.8 348.84,-79.68 348.84,-79.68 277.43,-3.14 276.68,-1.85 276.68,-0.36 277.43,0.93 277.43,0.93 348.84,77.47 351.38,84.95 350.86,92.83 347.37,99.91 341.43,105.12 341.44,105.12 241.32,135.7 240.32,136.2 239.57,137.05 239.21,138.11 239.29,139.23 239.29,139.23 262.86,241.22 261.32,248.97 256.94,255.54 250.37,259.93 242.63,261.47 242.63,261.47 140.63,237.89 139.51,237.82 138.44,238.18 137.6,238.92 137.1,239.93 137.1,239.93 106.52,340.05 101.31,345.99 94.22,349.48 86.34,350 78.86,347.46 78.86,347.46 2.33,276.05 1.39,275.42 0.29,275.2 -0.82,275.42 -1.75,276.05 -1.75,276.05 -91.52,359.8 76.07,363.5 228.29,293.33 334.32,163.5 372.68,0.33 335.58,-163.14 230.55,-293.78 78.86,-365.11
  Top Layer region: -78.29,362.9 -78.29,347.46 -85.77,350 -93.65,349.48 -100.74,345.99 -105.95,340.04 -105.95,340.05 -136.53,239.92 -137.03,238.92 -137.88,238.18 -138.94,237.82 -140.06,237.9 -140.06,237.9 -242.05,261.47 -249.8,259.93 -256.36,255.55 -260.75,248.98 -262.29,241.24 -262.29,241.24 -238.72,139.23 -238.65,138.11 -239.01,137.05 -239.75,136.21 -240.75,135.71 -240.75,135.71 -340.85,105.13 -346.79,99.92 -350.29,92.84 -350.81,84.95 -348.27,77.47 -348.27,77.47 -276.86,0.93 -276.23,0 -276.01,-1.1 -276.23,-2.21 -276.86,-3.14 -276.86,-3.14 -348.27,-79.68 -350.81,-87.16 -350.29,-95.04 -346.8,-102.12 -340.86,-107.33 -340.86,-107.33 -240.75,-137.91 -239.74,-138.41 -239,-139.25 -238.64,-140.32 -238.72,-141.44 -238.72,-141.44 -262.29,-243.43 -260.75,-251.18 -256.37,-257.75 -249.8,-262.14 -242.05,-263.68 -242.05,-263.68 -140.06,-240.1 -138.94,-240.03 -137.87,-240.39 -137.03,-241.13 -136.53,-242.14 -136.53,-242.14 -105.95,-342.25 -100.74,-348.19 -93.65,-351.69 -85.77,-352.2 -78.29,-349.67 -78.29,-349.67 -1.76,-278.25 -0.82,-277.63 0.28,-277.41 1.39,-277.63 2.32,-278.25 2.32,-278.25 92.09,-362 -75.49,-365.71 -227.72,-295.53 -333.75,-165.71 -372.11,-2.53 -335.01,160.93 -229.98,291.57 -78.29,362.9
  Top Layer region: -249.04,-245.46 -248.77,-246.83 -247.99,-247.99 -246.83,-248.77 -245.46,-249.04 -245.46,-249.04 -143.47,-225.47 -135.04,-225.46 -127.74,-229.67 -123.53,-236.97 -123.53,-236.97 -92.95,-337.08 -92.03,-338.13 -90.78,-338.76 -89.38,-338.85 -88.06,-338.41 -88.06,-338.41 0,-256.25 0,-248.01 -109.09,-222.73 -195.94,-152.04 -242.84,-50.36 -240.24,61.58 -188.66,160.98 -98.63,227.55 11.52,247.74 11.52,247.74 11.52,266.99 6.23,263.46 0,262.22 -6.23,263.46 -11.51,266.99 -11.51,266.99 -88.06,338.4 -89.38,338.85 -90.77,338.76 -92.03,338.14 -92.95,337.09 -92.95,337.09 -123.53,236.98 -126.33,231.28 -131.11,227.09 -137.13,225.05 -143.46,225.46 -143.46,225.46 -245.46,249.04 -246.83,248.77 -247.99,247.99 -248.77,246.82 -249.04,245.45 -249.04,245.45 -225.46,143.47 -225.04,137.13 -227.08,131.11 -231.27,126.34 -236.97,123.52 -236.97,123.52 -337.09,92.95 -338.14,92.03 -338.76,90.77 -338.85,89.38 -338.4,88.06 -338.4,88.06 -266.99,11.52 -263.46,6.23 -262.22,0 -263.46,-6.23 -266.99,-11.52 -266.99,-11.52 -338.4,-88.04 -338.85,-89.37 -338.76,-90.76 -338.15,-92.02 -337.09,-92.94 -337.09,-92.94 -236.98,-123.53 -231.28,-126.33 -227.09,-131.11 -225.05,-137.12 -225.46,-143.46 -225.46,-143.46
SOD123 [mm]
  rect 0.9x0.95 smd: 1(-1.574,0) 2(1.576,0)
  silkscreen extent 0.75,-0.6 0.75,0.6, body extent -1.92,-0.85 1.93,0.85, height 1.6
SOT23-5 [mm]
  rect 0.9x0.65 smd: 1(-1.2,0.95) 2(-1.2,0) 3(-1.2,-0.95) 4(1.2,-0.95) 5(1.2,0.95)
  silkscreen extent -0.35,-1.25 0.35,1.25, body extent -1.4,-1.45 1.4,1.45, height 1.1
SOT89-3L [mm]
  rect 0.9x1.4 smd: 1(-1.5,-2.6) 2(0,-2.6) 3(1.5,-2.6)
  rect 2.6x2.2 smd: 2(0,1.1)
  silkscreen extent 0,0 0,0, body extent -2.29,-2.93 2.29,1.33, height 1.6
SSOP-28 [mm]
  oval 1.27x0.33 smd: 1(-3.05,4.127) 2(-3.05,3.492) 3(-3.05,2.858) 4(-3.05,2.223) 5(-3.05,1.588) 6(-3.05,0.953) 7(-3.05,0.318) 8(-3.05,-0.317) 9(-3.05,-0.952) 10(-3.05,-1.587) 11(-3.05,-2.222) 12(-3.05,-2.857) 13(-3.05,-3.492) 14(-3.05,-4.127) 15(3.05,-4.127) 16(3.05,-3.492) 17(3.05,-2.858) 18(3.05,-2.223) 19(3.05,-1.588) 20(3.05,-0.953) 21(3.05,-0.318) 22(3.05,0.317) 23(3.05,0.952) 24(3.05,1.587) 25(3.05,2.222) 26(3.05,2.857) 27(3.05,3.492) 28(3.05,4.127)
  silkscreen extent -1.9,-4.8 1.9,4.8, body extent -3.1,-4.95 3.1,4.95, height 1.1
STM-LQFP64_L [mm]
  oval 1.55x0.25 smd: 1(-5.525,3.75) 2(-5.525,3.25) 3(-5.525,2.75) 4(-5.525,2.25) 5(-5.525,1.75) 6(-5.525,1.25) 7(-5.525,0.75) 8(-5.525,0.25) 9(-5.525,-0.25) 10(-5.525,-0.75) 11(-5.525,-1.25) 12(-5.525,-1.75) 13(-5.525,-2.25) 14(-5.525,-2.75) 15(-5.525,-3.25) 16(-5.525,-3.75) 33(5.525,-3.75) 34(5.525,-3.25) 35(5.525,-2.75) 36(5.525,-2.25) 37(5.525,-1.75) 38(5.525,-1.25) 39(5.525,-0.75) 40(5.525,-0.25) 41(5.525,0.25) 42(5.525,0.75) 43(5.525,1.25) 44(5.525,1.75) 45(5.525,2.25) 46(5.525,2.75) 47(5.525,3.25) 48(5.525,3.75)
  oval 0.25x1.55 smd: 17(-3.75,-5.525) 18(-3.25,-5.525) 19(-2.75,-5.525) 20(-2.25,-5.525) 21(-1.75,-5.525) 22(-1.25,-5.525) 23(-0.75,-5.525) 24(-0.25,-5.525) 25(0.25,-5.525) 26(0.75,-5.525) 27(1.25,-5.525) 28(1.75,-5.525) 29(2.25,-5.525) 30(2.75,-5.525) 31(3.25,-5.525) 32(3.75,-5.525) 49(3.75,5.525) 50(3.25,5.525) 51(2.75,5.525) 52(2.25,5.525) 53(1.75,5.525) 54(1.25,5.525) 55(0.75,5.525) 56(0.25,5.525) 57(-0.25,5.525) 58(-0.75,5.525) 59(-1.25,5.525) 60(-1.75,5.525) 61(-2.25,5.525) 62(-2.75,5.525) 63(-3.25,5.525) 64(-3.75,5.525)
  silkscreen extent -4.35,-4.35 4.35,4.35, body extent -6.07,-6.07 6.07,6.07, height 1.6
sw5x5 [mm]
  rect 2x2 smd: 1(-2,2) 1(2,2) 2(-2,-2) 2(2,-2)
  body extent -2.55,-2.55 2.55,2.55, height 1.5
"USBC 16PIN -1.6" [mm]
  oval 1x1.8 hole 0.6 slot 1.4 at 90 deg paste+0 mask+0: 0(-5.575,1.44) 0(5.575,1.44)
  oval 1x2.2 hole 0.6 slot 1.8 at 90 deg paste+0 mask+0: 0(-5.575,5.44) 0(5.575,5.44)
  rect 0.6x1.15 smd: A1(3.2,0.575) A4(2.4,0.575) A9(-2.4,0.575) A12(-3.2,0.575)
  rect 0.3x1.15 smd: A5(1.25,0.575) A6(0.25,0.575) A7(-0.25,0.575) A8(-1.25,0.575) B5(-1.75,0.575) B6(-0.75,0.575) B7(0.75,0.575) B8(1.75,0.575)
  Keep-Out Layer board cut-out: -4.5,1.45 -4.5,7.55 4.5,7.55 4.5,1.45
WS2812B [mil] "3535"
  rect 59.1x39.4 smd: 1(-96,63) 2(-96,-63) 3(96,-63) 4(96,63)
  silkscreen extent 57,-83 103,-35, body extent -105,-97 105,97, height 59